# KiCad board control.kicad_pcb (continued)
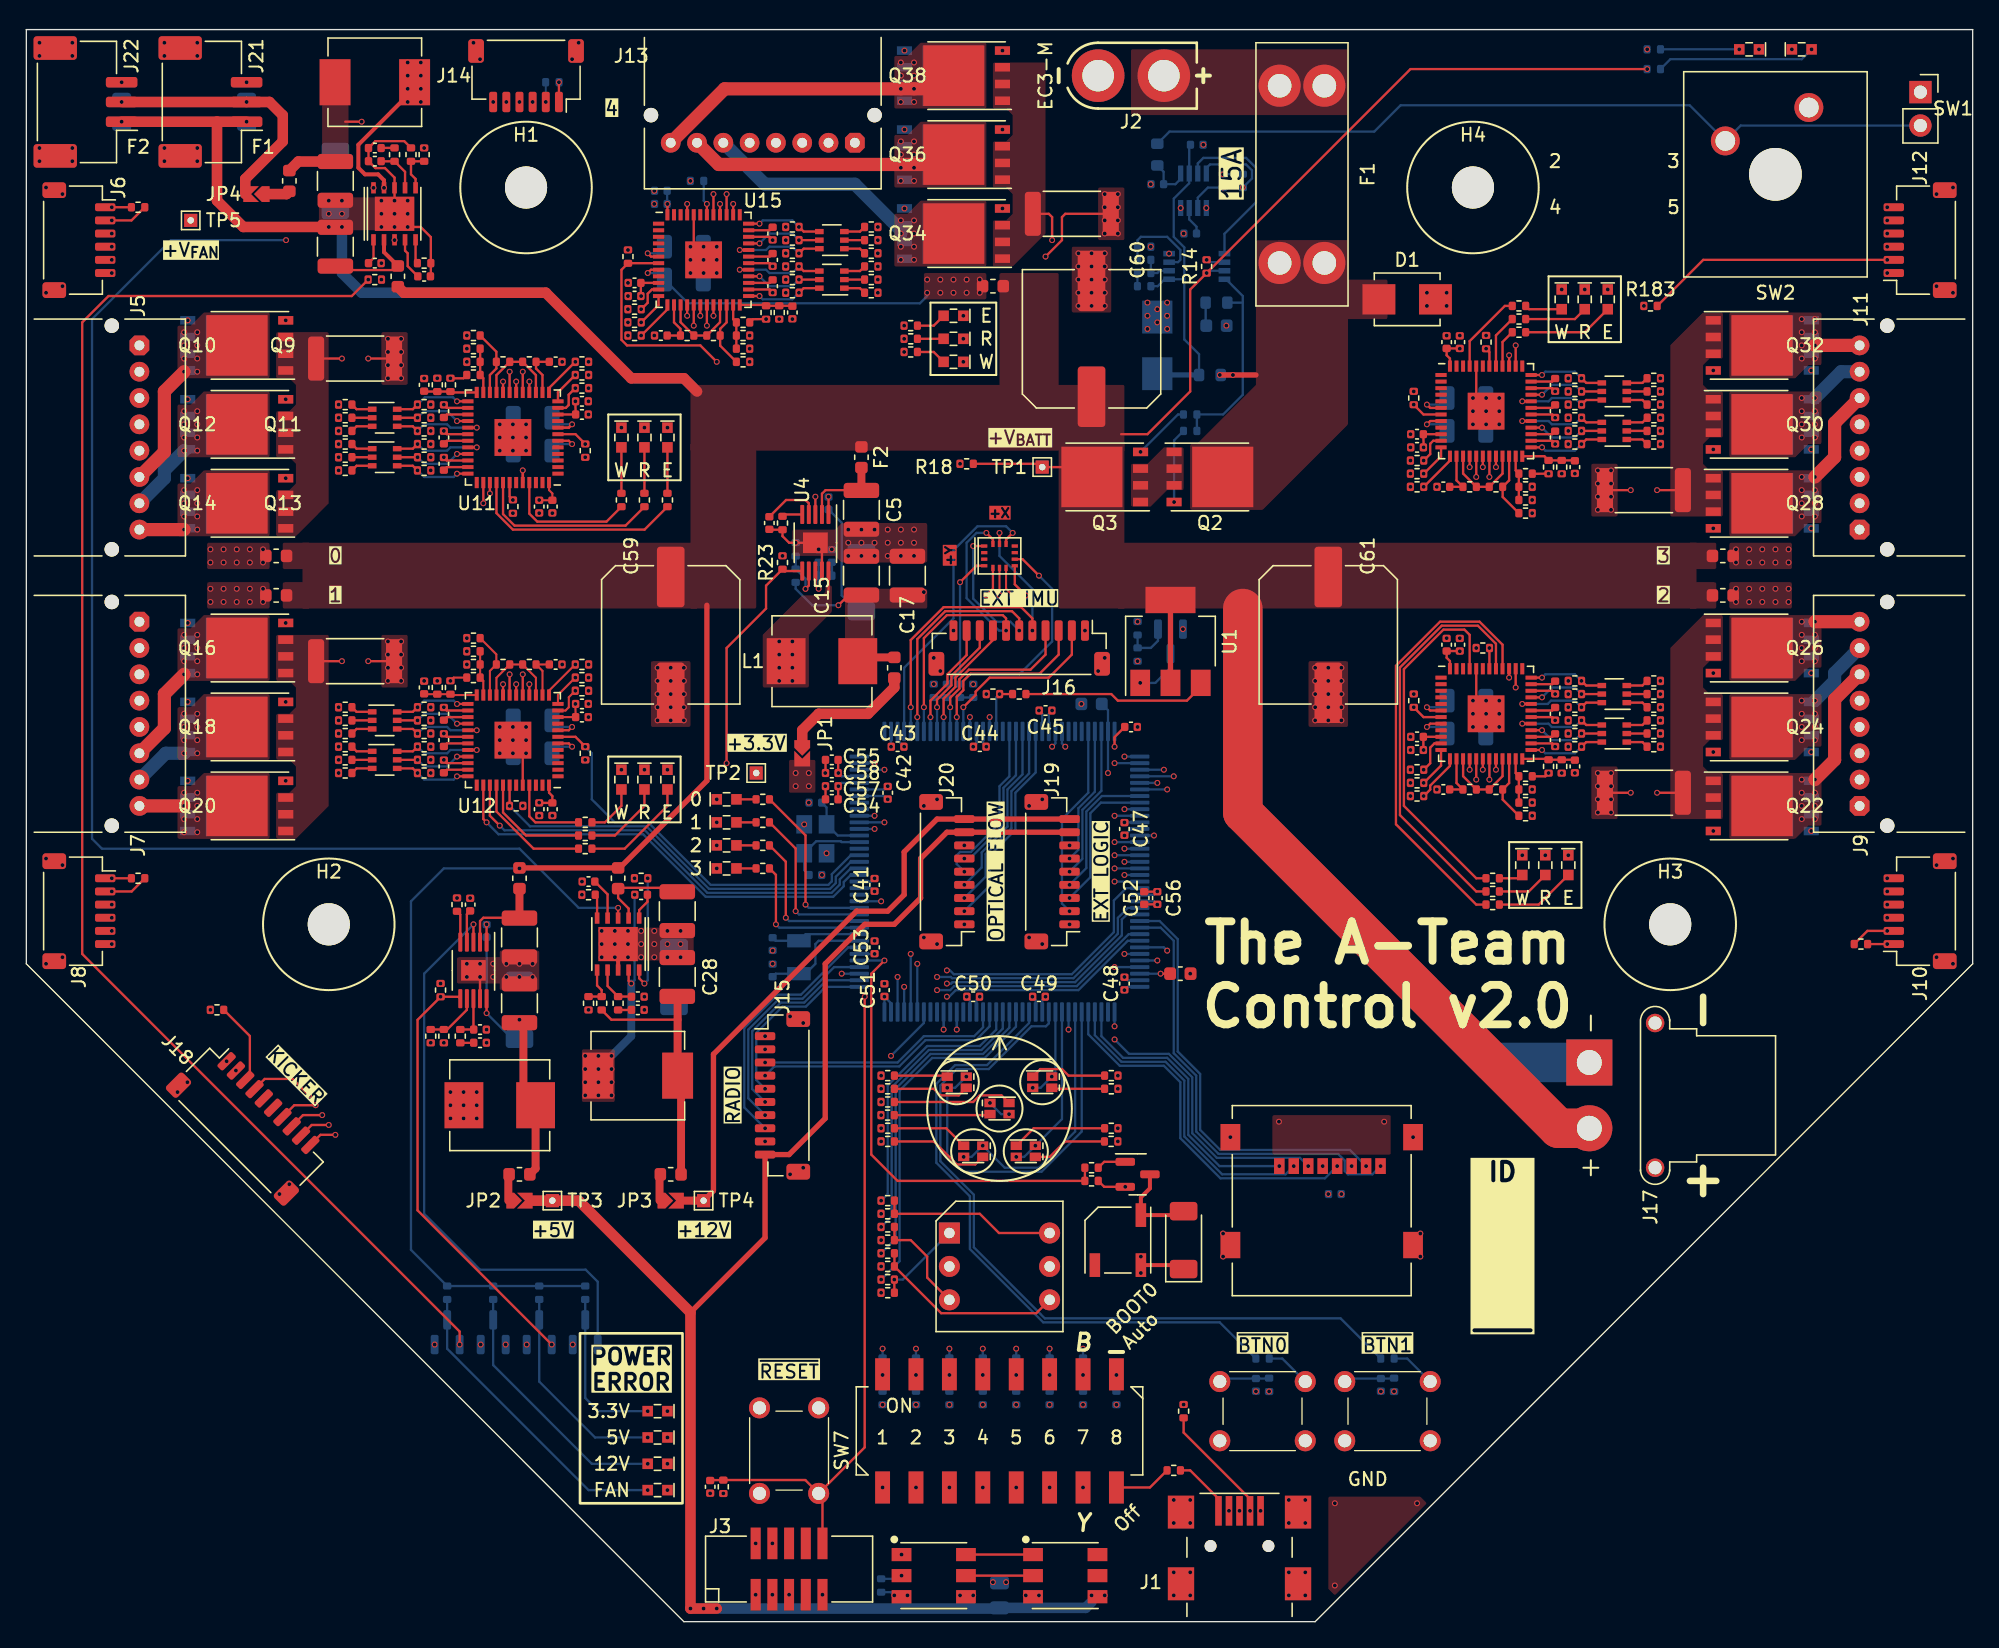
[diagram p0: board, top side]
## Placement (name value [footprint] x y rotation side) (continued)
R90  4.7k  [R_0402_1005Metric]  53 10.25 90 top
R91  4.7k  [R_0402_1005Metric]  42.5 89 90 top
R92  4.7k  [R_0402_1005Metric]  37 84.75 270 top
R93  4.7k  [R_0402_1005Metric]  8.5 107.5 180 top
R94  4.7k  [R_0402_1005Metric]  42.25 93.75 180 top
R95  10k  [R_0402_1005Metric]  45.25 85.25 90 top
R96  4.7k  [R_0402_1005Metric]  42.25 94.75 180 top
R97  10k  [R_0402_1005Metric]  47 85.25 90 top
R98  4.7k  [R_0402_1005Metric]  42.25 95.75 180 top
R99  10k  [R_0402_1005Metric]  48.75 85.25 90 top
R100  2.37k  [R_0402_1005Metric]  34 94.75 0 top
R101  649k  [R_0402_1005Metric]  34 95.75 0 top
R102  53.6k  [R_0402_1005Metric]  34 96.75 180 top
R103  10k  [R_0402_1005Metric]  34 97.75 0 top
R104  26.7k  [R_0402_1005Metric]  36.25 95.75 0 top
R105  22  [R_0402_1005Metric]  38.25 95.75 0 top
R106  10  [R_0402_1005Metric]  24.25 88.5 180 top
R107  62  [R_0402_1005Metric]  30.25 88.5 0 top
R108  62  [R_0402_1005Metric]  30.25 87.5 0 top
R109  10  [R_0402_1005Metric]  24.25 87.5 180 top
R110  10  [R_0402_1005Metric]  24.25 90.5 180 top
R111  62  [R_0402_1005Metric]  30.25 90.5 0 top
R112  62  [R_0402_1005Metric]  30.25 89.5 0 top
R113  10  [R_0402_1005Metric]  24.25 89.5 180 top
R114  10  [R_0402_1005Metric]  24.25 92.5 180 top
R115  62  [R_0402_1005Metric]  30.25 92.5 0 top
R116  62  [R_0402_1005Metric]  30.25 91.5 0 top
R117  10  [R_0402_1005Metric]  24.25 91.5 180 top
R118  HoLLR2512-3W-62mR-1%  [R_2512_6332Metric]  25 96 0 top
R119  2.37k  [R_0402_1005Metric]  32.25 94 270 top
R120  143k  [R_0402_1005Metric]  31.25 94 270 top
R121  4.7k  [R_0402_1005Metric]  42.5 66 90 top
R122  4.7k  [R_0402_1005Metric]  37.25 62 0 top
R123  4.7k  [R_0402_1005Metric]  8.5 56.5 180 top
R124  4.7k  [R_0402_1005Metric]  42.25 70.75 180 top
R125  10k  [R_0402_1005Metric]  42.5 60.75 0 top
R126  4.7k  [R_0402_1005Metric]  42.25 71.75 180 top
R127  10k  [R_0402_1005Metric]  42.5 59.75 0 top
R128  4.7k  [R_0402_1005Metric]  42.25 72.75 180 top
R129  10k  [R_0402_1005Metric]  42.5 58.75 0 top
R130  2.37k  [R_0402_1005Metric]  34 71.75 0 top
R131  649k  [R_0402_1005Metric]  34 72.75 0 top
R132  53.6k  [R_0402_1005Metric]  34 73.75 180 top
R133  10k  [R_0402_1005Metric]  34 74.75 0 top
R134  26.7k  [R_0402_1005Metric]  36.25 72.75 0 top
R135  22  [R_0402_1005Metric]  38.25 72.75 0 top
R136  10  [R_0402_1005Metric]  24.25 65.5 180 top
R137  62  [R_0402_1005Metric]  30.25 65.5 0 top
R138  62  [R_0402_1005Metric]  30.25 64.5 0 top
R139  10  [R_0402_1005Metric]  24.25 64.5 180 top
R140  10  [R_0402_1005Metric]  24.25 67.5 180 top
R141  62  [R_0402_1005Metric]  30.25 67.5 0 top
R142  62  [R_0402_1005Metric]  30.25 66.5 0 top
R143  10  [R_0402_1005Metric]  24.25 66.5 180 top
R144  10  [R_0402_1005Metric]  24.25 69.5 180 top
R145  62  [R_0402_1005Metric]  30.25 69.5 0 top
R146  62  [R_0402_1005Metric]  30.25 68.5 0 top
R147  10  [R_0402_1005Metric]  24.25 68.5 180 top
R148  HoLLR2512-3W-62mR-1%  [R_2512_6332Metric]  25 73 0 top
R149  2.37k  [R_0402_1005Metric]  32.25 71 270 top
R150  143k  [R_0402_1005Metric]  31.25 71 270 top
R151  4.7k  [R_0402_1005Metric]  105.5 70 270 top
R152  4.7k  [R_0402_1005Metric]  110.75 74 180 top
R153  4.7k  [R_0402_1005Metric]  139.5 51.5 0 top
R154  4.7k  [R_0402_1005Metric]  105.75 64.75 0 top
R155  10k  [R_0402_1005Metric]  111.5 56.5 0 top
R156  4.7k  [R_0402_1005Metric]  105.75 63.75 0 top
R157  10k  [R_0402_1005Metric]  111.5 55.5 0 top
R158  4.7k  [R_0402_1005Metric]  105.75 62.75 0 top
R159  10k  [R_0402_1005Metric]  111.5 54.5 0 top
R160  2.37k  [R_0402_1005Metric]  114 64.25 180 top
R161  649k  [R_0402_1005Metric]  114 63.25 180 top
R162  53.6k  [R_0402_1005Metric]  114 62.25 0 top
R163  10k  [R_0402_1005Metric]  114 61.25 180 top
R164  26.7k  [R_0402_1005Metric]  111.75 63.25 180 top
R165  22  [R_0402_1005Metric]  109.75 63.25 180 top
R166  10  [R_0402_1005Metric]  123.75 70.5 0 top
R167  62  [R_0402_1005Metric]  117.75 70.5 180 top
R168  62  [R_0402_1005Metric]  117.75 71.5 180 top
R169  10  [R_0402_1005Metric]  123.75 71.5 0 top
R170  10  [R_0402_1005Metric]  123.75 68.5 0 top
R171  62  [R_0402_1005Metric]  117.75 68.5 180 top
R172  62  [R_0402_1005Metric]  117.75 69.5 180 top
R173  10  [R_0402_1005Metric]  123.75 69.5 0 top
R174  10  [R_0402_1005Metric]  123.75 66.5 0 top
R175  62  [R_0402_1005Metric]  117.75 66.5 180 top
R176  62  [R_0402_1005Metric]  117.75 67.5 180 top
R177  10  [R_0402_1005Metric]  123.75 67.5 0 top
R178  HoLLR2512-3W-62mR-1%  [R_2512_6332Metric]  123 63 180 top
R179  2.37k  [R_0402_1005Metric]  115.75 65 90 top
R180  143k  [R_0402_1005Metric]  116.75 65 90 top
R181  4.7k  [R_0402_1005Metric]  105.5 93 270 top
R182  4.7k  [R_0402_1005Metric]  111 97.25 90 top
R183  4.7k  [R_0402_1005Metric]  123.5 100 180 top
R184  4.7k  [R_0402_1005Metric]  105.75 88.25 0 top
R185  10k  [R_0402_1005Metric]  113.5 100 0 top
R186  4.7k  [R_0402_1005Metric]  105.75 87.25 0 top
R187  10k  [R_0402_1005Metric]  113.5 99 0 top
R188  4.7k  [R_0402_1005Metric]  105.75 86.25 0 top
R189  10k  [R_0402_1005Metric]  113.5 98 0 top
R190  2.37k  [R_0402_1005Metric]  114 87.25 180 top
R191  649k  [R_0402_1005Metric]  114 86.25 180 top
R192  53.6k  [R_0402_1005Metric]  114 85.25 0 top
R193  10k  [R_0402_1005Metric]  114 84.25 180 top
R194  26.7k  [R_0402_1005Metric]  111.75 86.25 180 top
R195  22  [R_0402_1005Metric]  109.75 86.25 180 top
R196  10  [R_0402_1005Metric]  123.75 93.5 0 top
R197  62  [R_0402_1005Metric]  117.75 93.5 180 top
R198  62  [R_0402_1005Metric]  117.75 94.5 180 top
R199  10  [R_0402_1005Metric]  123.75 94.5 0 top
R200  10  [R_0402_1005Metric]  123.76 91.5 0 top
R201  62  [R_0402_1005Metric]  117.75 91.5 180 top
R202  62  [R_0402_1005Metric]  117.75 92.5 180 top
R203  10  [R_0402_1005Metric]  123.75 92.5 0 top
R204  10  [R_0402_1005Metric]  123.75 89.5 0 top
R205  62  [R_0402_1005Metric]  117.75 89.5 180 top
R206  62  [R_0402_1005Metric]  117.75 90.5 180 top
R207  10  [R_0402_1005Metric]  123.75 90.5 0 top
R208  HoLLR2512-3W-62mR-1%  [R_2512_6332Metric]  123 86 180 top
R209  2.37k  [R_0402_1005Metric]  115.75 87.75 90 top
R210  143k  [R_0402_1005Metric]  116.75 87.75 90 top
R211  4.7k  [R_0402_1005Metric]  45.75 103.75 270 top
R212  4.7k  [R_0402_1005Metric]  51 109.5 180 bottom
R213  4.7k  [R_0402_1005Metric]  40 117 0 bottom
R214  4.7k  [R_0402_1005Metric]  46.25 99.75 0 top
R215  10k  [R_0402_1005Metric]  67.25 96.5 0 top
R216  4.7k  [R_0402_1005Metric]  46.25 98.75 0 top
R217  10k  [R_0402_1005Metric]  67.25 97.5 0 top
R218  4.7k  [R_0402_1005Metric]  46.25 97.75 0 top
R219  10k  [R_0402_1005Metric]  67.25 98.5 0 top
R220  2.37k  [R_0402_1005Metric]  54.5 98.75 180 top
R221  649k  [R_0402_1005Metric]  54.5 97.75 180 top
R222  53.6k  [R_0402_1005Metric]  54.5 96.75 0 top
R223  10k  [R_0402_1005Metric]  54.5 95.75 180 top
R224  26.7k  [R_0402_1005Metric]  52.25 97.75 180 top
R225  22  [R_0402_1005Metric]  50.25 97.75 180 top
R226  10  [R_0402_1005Metric]  64.25 105 0 top
R227  62  [R_0402_1005Metric]  58.25 105 180 top
R228  62  [R_0402_1005Metric]  58.25 106 180 top
R229  10  [R_0402_1005Metric]  64.25 106 0 top
R230  10  [R_0402_1005Metric]  64.25 103 0 top
R231  62  [R_0402_1005Metric]  58.25 103 180 top
R232  62  [R_0402_1005Metric]  58.25 104 180 top
R233  10  [R_0402_1005Metric]  64.25 104 0 top
R234  10  [R_0402_1005Metric]  64.25 101 0 top
R235  62  [R_0402_1005Metric]  58.25 101 180 top
R236  62  [R_0402_1005Metric]  58.25 102 180 top
R237  10  [R_0402_1005Metric]  64.25 102 0 top
R238  HoLLR2512-3W-62mR-1%  [R_2512_6332Metric]  79.5 107 0 top
R239  2.37k  [R_0402_1005Metric]  56.25 99.5 90 top
R240  143k  [R_0402_1005Metric]  57.25 99.5 90 top
R241  4.7k  [R_0402_1005Metric]  69 70.75 270 bottom
R242  4.7k  [R_0402_1005Metric]  72 70.75 270 bottom
R243  100  [R_0402_1005Metric]  70 70.75 270 bottom
R244  100  [R_0402_1005Metric]  71 70.75 270 bottom
R245  4.7k  [R_0402_1005Metric]  14.5 46.5 0 top
SW1  HDR_2P  [PinSocket_1x02_P2.54mm_Vertical]  144.03 116.25 0 top
SW2  CPG151101D91  [SW_Kailh_PG1511]  133 110 180 top
SW3  -  [221ADC16]  74 27 0 top
SW4  -  [B3F-1000]  94 16 0 top
SW5  -  [B3F-1000]  103.5 16 0 top
SW6  -  [219-8MST]  74 14.5 90 top
SW7  -  [B3F-1000]  58 13 270 top
TP1  Main  [TestPoint_THTPad_1.0x1.0mm_Drill0.5mm]  77.25 87.75 0 top
TP2  +3.3V  [TestPoint_THTPad_1.0x1.0mm_Drill0.5mm]  55.5 64.5 0 top
TP3  +5V  [TestPoint_THTPad_1.0x1.0mm_Drill0.5mm]  40 32 0 top
TP4  +12V  [TestPoint_THTPad_1.0x1.0mm_Drill0.5mm]  51.5 32 0 top
TP5  +V_{FAN}  [TestPoint_THTPad_1.0x1.0mm_Drill0.5mm]  12.5 106.5 0 top
U1  ITS4140N  [SOT-223]  87 74.5 90 top
U2  LTC4367  [MS8]  89 103 90 bottom
U3  LTC2955-1  [LTC2955-TS8]  88.75 108.75 180 bottom
U4  TPS54260DGQ  [HVSSOP-10-1EP_3x3mm_P0.5mm_EP1.57x1.88mm]  60 82 270 top
U5  TPS54260DGQ  [HVSSOP-10-1EP_3x3mm_P0.5mm_EP1.57x1.88mm]  34 49.5 270 top
U6  TPS54561DPR  [DPR]  45 51.5 0 top
U7  TPS54561DPR  [DPR]  28 107 180 top
U8  -  [SK9822]  69 3.5 180 top
U9  -  [SK9822]  79 3.5 180 top
U10  STM32H723ZGT6  [LQFP-144_20x20mm_P0.5mm]  74 57 0 bottom
U11  STSPIN32F0B  [QFN-48-1EP_7x7mm_P0.5mm_EP2.8x2.8mm]  37 90 180 top
U12  STSPIN32F0B  [QFN-48-1EP_7x7mm_P0.5mm_EP2.8x2.8mm]  37 67 180 top
U13  STSPIN32F0B  [QFN-48-1EP_7x7mm_P0.5mm_EP2.8x2.8mm]  111 69 0 top
U14  STSPIN32F0B  [QFN-48-1EP_7x7mm_P0.5mm_EP2.8x2.8mm]  111 92 0 top
U15  STSPIN32F0B  [QFN-48-1EP_7x7mm_P0.5mm_EP2.8x2.8mm]  51.5 103.5 0 top
U16  -  [BMI323]  74 81 0 top
Y1  TAXM8M4RDBCCT2T  [Crystal_SMD_3225-4Pin_3.2x2.5mm]  60 59.5 270 bottom
Y2  Q13FC13500005  [Crystal_SMD_3215-2Pin_3.2x1.5mm]  58.75 50.5 270 bottom

## Library data of the parts
BZ1 = -: Description: Buzzer, polarized; Value2: 4kHz
C1-C58 C62-C120 = -: Description: Unpolarized capacitor, small symbol
C59-C61 = -: Description: Polarized capacitor, small US symbol; Value2: 100uF 63V
D1 D2 = -: Description: Bidirectional transient-voltage-suppression diode; V_{BR}: V_{BR}=30.4V
D3-D6 D8 = -: Description: Schottky diode, small symbol, filled shape
D7 = -: Description: Light emitting diode; Value2: White
D9 D12-D14 D24 D29 D34 D39 D44 = -: Description: Light emitting diode; Value2: Green
D10 D11 D15 D16 D25 D30 D35 D40 D45 = -: Description: Light emitting diode; Value2: Red
D17 D23 D28 D33 D38 D43 = -: Description: Light emitting diode; Value2: Orange
D18 D19 D21 D22 = -: Description: Dual LED, cathodes on pins 3 and 4; Value13: Green; Value24: Red
D20 = -: Description: Dual LED, cathodes on pins 3 and 4; Value13: Yellow; Value24: Blue
D26 D27 D31 D32 D36 D37 D41 D42 D46 D47 = -: Description: Fast switching diode array 3 independent
F1 = -: Description: Fuse
F2-F7 = -: Description: Fuse, small symbol; Value2: 2.0A
F8 F9 = -: Description: Fuse, small symbol; Value2: 4.0A
F10-F14 = -: Description: Fuse, small symbol; Value2: 3.0A
H1-H4 = -: Description: Mounting Hole without connection
J1 = -: Description: USB mini/micro connector
J2 = -: Description: Generic connector, single row, 01x02, script generated (kicad-library-utils/schlib/autogen/connector/)
J3 = -: Description: Cortex Debug Connector, standard ARM Cortex-M SWD and JTAG interface; Value2: ARM_SWD
J5 J7 J9 J11 J13 = -: Description: Generic connector, single row, 01x08, script generated (kicad-library-utils/schlib/autogen/connector/)
J6 J8 J10 J12 J14 = -: Description: Generic connectable mounting pin connector, single row, 01x06, script generated (kicad-library-utils/schlib/autogen/connector/)
J15 J18 = -: Description: Generic connectable mounting pin connector, single row, 01x10, script generated (kicad-library-utils/schlib/autogen/connector/)
J16 = -: Description: Generic connectable mounting pin connector, single row, 01x11, script generated (kicad-library-utils/schlib/autogen/connector/)
J17 = -: Description: Generic connector, single row, 01x02, script generated (kicad-library-utils/schlib/autogen/connector/); LCSC: C2913282
J19 J20 = -: Description: Generic connectable mounting pin connector, single row, 01x09, script generated (kicad-library-utils/schlib/autogen/connector/)
J21 J22 = -: Description: Generic connectable mounting pin connector, single row, 01x03, script generated (kicad-library-utils/schlib/autogen/connector/)
JP1-JP4 = -: Description: Solder Jumper, 2-pole, closed/bridged
L1 L2 = -: Description: Inductor; Value2: 10uH
L3 L4 = -: Description: Inductor; Value2: 4.7uH
Q1 Q4-Q8 = -: Description: N-MOSFET transistor, gate/source/drain
Q2 Q3 Q9-Q38 = -: Description: N-MOSFET transistor, source/gate/drain
R1-R74 R76-R117 R119-R147 R149-R177 R179-R207 R209-R237 R239-R245 = -: Description: Resistor, small US symbol
R75 = -: Description: Resistor, US symbol
R118 R148 R178 R208 R238 = -: Description: Resistor, small US symbol; Value2: 62m 1% 3W 50ppm
SW1 = -: Description: Push button switch, generic, two pins; Value2: PWRON_{EXT}
SW2 = -: Description: Push button switch, generic, two pins; Value2: PWRON_{ONBOARD}
SW6 = -: Description: 8x DIP Switch, Single Pole Single Throw (SPST) switch, small symbol
TP1-TP5 = -: Description: test point
U3 = -: Description: micropower , pushbutton on/off controller, 40V
Y1 = -: Description: Four pin crystal, GND on pins 2 and 4, small symbol; Value2: 8MHz
Y2 = -: Description: Two pin crystal; Value2: 32.768kHz

## Footprints (pads in the part's own frame, mm; a bottom-side part is the same pattern mirrored in y, then rotated)
219-8MST
  rect 2.44x1.13 smd: 1(-4.3,8.89) 2(-4.3,6.35) 3(-4.3,3.81) 4(-4.3,1.27) 5(-4.3,-1.27) 6(-4.3,-3.81) 7(-4.3,-6.35) 8(-4.3,-8.89) 9(4.3,-8.89) 10(4.3,-6.35) 11(4.3,-3.81) 12(4.3,-1.27) 13(4.3,1.27) 14(4.3,3.81) 15(4.3,6.35) 16(4.3,8.89)
221ADC16
  rect 1.6x1.6 hole 0.8: 1(-3.81,2.54)
  round 1.6 hole 0.8: 3(-3.81,-2.54) 4(3.81,-2.54) 6(3.81,2.54) C(-3.81,0) C(3.81,0)
0630CDMCCDS
  rect 2.35x3.5 smd: 1(-3.025,0) 2(3.025,0)
3557-2
  round 3.2 hole 1.8: 1(-6.735,1.7) 1(-6.735,-1.7) 2(6.735,1.7) 2(6.735,-1.7)
10033526-N3212LF
  round 0.9 hole 0.9 unplated: (-2.2,0) (2.2,0)
  rect 0.5x2.25 smd: 1(-1.6,2.675) 2(-0.8,2.675) 3(0,2.675) 4(0.8,2.675) 5(1.6,2.675)
  rect 2x2.5 smd: 6(-4.45,2.58) 6(-4.45,-2.87) 6(4.45,2.58) 6(4.45,-2.87)
20021521-00010C1LF
  rect 0.76x2.4 smd: 1(-2.54,-1.95) 2(-2.54,1.95) 3(-1.27,-1.95) 4(-1.27,1.95) 5(0,-1.95) 6(0,1.95) 7(1.27,-1.95) 8(1.27,1.95) 9(2.54,-1.95) 10(2.54,1.95)
AMASS_XT30PW-F_1x02_P2.50mm_Horizontal
  round 1.4 hole 1: (-3,5) (8,5)
  rect 3.5x3.5 hole 1.9: 1(0,0)
  round 3.5 hole 1.9: 2(5,0)
B3F-1000
  round 1.6 hole 1: 1(-3.25,2.25) 2(3.25,2.25) 3(-3.25,-2.25) 4(3.25,-2.25)
BMI323
  rect 0.475x0.25 smd: 1(-1.163,0.75) 2(-1.163,0.25) 3(-1.163,-0.25) 4(-1.163,-0.75) 8(1.163,-0.75) 9(1.163,-0.25) 10(1.163,0.25) 11(1.163,0.75)
  rect 0.25x0.475 smd: 5(-0.5,-0.912) 6(0,-0.912) 7(0.5,-0.912) 12(0.5,0.912) 13(0,0.912) 14(-0.5,0.912)
C_0402_1005Metric
  rrect 0.56x0.62 smd: 1(-0.48,0) 2(0.48,0)
C_0603_1608Metric
  rrect 0.9x0.95 smd: 1(-0.775,0) 2(0.775,0)
C_0805_2012Metric
  rrect 1x1.45 smd: 1(-0.95,0) 2(0.95,0)
C_1206_3216Metric
  rrect 1.15x1.8 smd: 1(-1.475,0) 2(1.475,0)
C_1210_3225Metric
  rrect 1.15x2.7 smd: 1(-1.475,0) 2(1.475,0)
C_Elec_10x10.2
  rrect 4.6x2.1 smd: 1(-4.4,0) 2(4.4,0)
Crystal_SMD_3215-2Pin_3.2x1.5mm
  rect 1x1.8 smd: 1(1.25,0) 2(-1.25,0)
Crystal_SMD_3225-4Pin_3.2x2.5mm
  rect 1.4x1.2 smd: 1(-1.1,-0.85) 2(1.1,-0.85) 3(1.1,0.85) 4(-1.1,0.85)
D_SMB_Non-Polar
  rect 2.5x2.3 smd: 1(-2.15,0) 2(2.15,0)
D_SOD-128
  rrect 1.4x2.1 smd: 1(-2.2,0) 2(2.2,0)
DPR
  rect 0.35x0.85 smd: 1(1.6,1.975) 2(0.8,1.975) 3(0,1.975) 4(-0.8,1.975) 5(-1.6,1.975) 6(-1.6,-1.975) 7(-0.8,-1.975) 8(0,-1.975) 9(0.8,-1.975) 10(1.6,-1.975)
  rect 3x2.6 smd: TP(0,0)
EC3-M_TH_WireMount
  round 4 hole 2.4: 1(-2.5,0) 2(2.5,0)
Fuse_0603_1608Metric
  rrect 0.875x0.95 smd: 1(-0.787,0) 2(0.787,0)
HVSSOP-10-1EP_3x3mm_P0.5mm_EP1.57x1.88mm
  rrect 0.63x0.76 smd: (-0.39,0.47) (-0.39,-0.47) (0.39,0.47) (0.39,-0.47)
  rrect 1.45x0.3 smd: 1(-2.15,1) 2(-2.15,0.5) 3(-2.15,0) 4(-2.15,-0.5) 5(-2.15,-1) 6(2.15,-1) 7(2.15,-0.5) 8(2.15,0) 9(2.15,0.5) 10(2.15,1)
  rect 1.57x1.88 smd: 11(0,0)
JST_PA_S08B-PASK-2_1x08_P2.00mm_Horizontal
  round 1.1 hole 1.1 unplated: (-8.5,0) (8.5,0)
  rrect 1.5x1.5 hole 0.75: 1(7,-2.1)
  oval 1.5x1.5 hole 0.75: 2(5,-2.1) 3(3,-2.1) 4(1,-2.1) 5(-1,-2.1) 6(-3,-2.1) 7(-5,-2.1) 8(-7,-2.1)
JST_SH_BM09B-SRSS-TB_1x09-1MP_P1.00mm_Vertical
  rrect 0.6x1.55 smd: 1(-4,-1.325) 2(-3,-1.325) 3(-2,-1.325) 4(-1,-1.325) 5(0,-1.325) 6(1,-1.325) 7(2,-1.325) 8(3,-1.325) 9(4,-1.325)
  rrect 1.2x1.8 smd: MP(-5.3,1.2) MP(5.3,1.2)
JST_SH_BM10B-SRSS-TB_1x10-1MP_P1.00mm_Vertical
  rrect 0.6x1.55 smd: 1(-4.5,-1.325) 2(-3.5,-1.325) 3(-2.5,-1.325) 4(-1.5,-1.325) 5(-0.5,-1.325) 6(0.5,-1.325) 7(1.5,-1.325) 8(2.5,-1.325) 9(3.5,-1.325) 10(4.5,-1.325)
  rrect 1.2x1.8 smd: MP(-5.8,1.2) MP(5.8,1.2)
JST_SH_BM11B-SRSS-TB_1x11-1MP_P1.00mm_Vertical
  rrect 0.6x1.55 smd: 1(-5,-1.325) 2(-4,-1.325) 3(-3,-1.325) 4(-2,-1.325) 5(-1,-1.325) 6(0,-1.325) 7(1,-1.325) 8(2,-1.325) 9(3,-1.325) 10(4,-1.325) 11(5,-1.325)
  rrect 1.2x1.8 smd: MP(-6.3,1.2) MP(6.3,1.2)
JST_SH_SM06B-SRSS-TB_1x06-1MP_P1.00mm_Horizontal
  rrect 0.6x1.55 smd: 1(-2.5,2) 2(-1.5,2) 3(-0.5,2) 4(0.5,2) 5(1.5,2) 6(2.5,2)
  rrect 1.2x1.8 smd: MP(-3.8,-1.875) MP(3.8,-1.875)
JST_SH_SM10B-SRSS-TB_1x10-1MP_P1.00mm_Horizontal
  rrect 0.6x1.55 smd: 1(-4.5,2) 2(-3.5,2) 3(-2.5,2) 4(-1.5,2) 5(-0.5,2) 6(0.5,2) 7(1.5,2) 8(2.5,2) 9(3.5,2) 10(4.5,2)
  rrect 1.2x1.8 smd: MP(-5.8,-1.875) MP(5.8,-1.875)
JST_ZE_BM03B-ZESS-TBT_1x03-1MP_P1.50mm_Vertical
  rrect 0.8x2.4 smd: 1(-1.5,-2.75) 2(0,-2.75) 3(1.5,-2.75)
  rrect 1.8x3.3 smd: MP(-4.1,2.3) MP(4.1,2.3)
LED0603
  rect 0.8x0.8 smd: 1(-0.75,0) 2(0.75,0)
LED0606_S_1324
  rect 0.65x0.85 smd: 1(0.425,0.725) 2(-0.425,0.725) 3(0.425,-0.725) 4(-0.425,-0.725)
LED0606_Z_1324
  rect 0.65x0.85 smd: 1(-0.425,0.725) 2(0.425,0.725) 3(-0.425,-0.725) 4(0.425,-0.725)
LQFP-144_20x20mm_P0.5mm
  rrect 1.475x0.3 smd: 1(-10.662,8.75) 2(-10.662,8.25) 3(-10.662,7.75) 4(-10.662,7.25) 5(-10.662,6.75) 6(-10.662,6.25) 7(-10.662,5.75) 8(-10.662,5.25) 9(-10.662,4.75) 10(-10.662,4.25) 11(-10.662,3.75) 12(-10.662,3.25) 13(-10.662,2.75) 14(-10.662,2.25) 15(-10.662,1.75) 16(-10.662,1.25) 17(-10.662,0.75) 18(-10.662,0.25) 19(-10.662,-0.25) 20(-10.662,-0.75) 21(-10.662,-1.25) 22(-10.662,-1.75) 23(-10.662,-2.25) 24(-10.662,-2.75) 25(-10.662,-3.25) 26(-10.662,-3.75) 27(-10.662,-4.25) 28(-10.662,-4.75) 29(-10.662,-5.25) 30(-10.662,-5.75) 31(-10.662,-6.25) 32(-10.662,-6.75) 33(-10.662,-7.25) 34(-10.662,-7.75) 35(-10.662,-8.25) 36(-10.662,-8.75) 73(10.662,-8.75) 74(10.662,-8.25) 75(10.662,-7.75) 76(10.662,-7.25) 77(10.662,-6.75) 78(10.662,-6.25) 79(10.662,-5.75) 80(10.662,-5.25) 81(10.662,-4.75) 82(10.662,-4.25) 83(10.662,-3.75) 84(10.662,-3.25) 85(10.662,-2.75) 86(10.662,-2.25) 87(10.662,-1.75) 88(10.662,-1.25) 89(10.662,-0.75) 90(10.662,-0.25) 91(10.662,0.25) 92(10.662,0.75) 93(10.662,1.25) 94(10.662,1.75) 95(10.662,2.25) 96(10.662,2.75) 97(10.662,3.25) 98(10.662,3.75) 99(10.662,4.25) 100(10.662,4.75) 101(10.662,5.25) 102(10.662,5.75) 103(10.662,6.25) 104(10.662,6.75) 105(10.662,7.25) 106(10.662,7.75) 107(10.662,8.25) 108(10.662,8.75)
  rrect 0.3x1.475 smd: 37(-8.75,-10.662) 38(-8.25,-10.662) 39(-7.75,-10.662) 40(-7.25,-10.662) 41(-6.75,-10.662) 42(-6.25,-10.662) 43(-5.75,-10.662) 44(-5.25,-10.662) 45(-4.75,-10.662) 46(-4.25,-10.662) 47(-3.75,-10.662) 48(-3.25,-10.662) 49(-2.75,-10.662) 50(-2.25,-10.662) 51(-1.75,-10.662) 52(-1.25,-10.662) 53(-0.75,-10.662) 54(-0.25,-10.662) 55(0.25,-10.662) 56(0.75,-10.662) 57(1.25,-10.662) 58(1.75,-10.662) 59(2.25,-10.662) 60(2.75,-10.662) 61(3.25,-10.662) 62(3.75,-10.662) 63(4.25,-10.662) 64(4.75,-10.662) 65(5.25,-10.662) 66(5.75,-10.662) 67(6.25,-10.662) 68(6.75,-10.662) 69(7.25,-10.662) 70(7.75,-10.662) 71(8.25,-10.662) 72(8.75,-10.662) 109(8.75,10.662) 110(8.25,10.662) 111(7.75,10.662) 112(7.25,10.662) 113(6.75,10.662) 114(6.25,10.662) 115(5.75,10.662) 116(5.25,10.662) 117(4.75,10.662) 118(4.25,10.662) 119(3.75,10.662) 120(3.25,10.662) 121(2.75,10.662) 122(2.25,10.662) 123(1.75,10.662) 124(1.25,10.662) 125(0.75,10.662) 126(0.25,10.662) 127(-0.25,10.662) 128(-0.75,10.662) 129(-1.25,10.662) 130(-1.75,10.662) 131(-2.25,10.662) 132(-2.75,10.662) 133(-3.25,10.662) 134(-3.75,10.662) 135(-4.25,10.662) 136(-4.75,10.662) 137(-5.25,10.662) 138(-5.75,10.662) 139(-6.25,10.662) 140(-6.75,10.662) 141(-7.25,10.662) 142(-7.75,10.662) 143(-8.25,10.662) 144(-8.75,10.662)
LTC2955-TS8
  rect 0.4x1.22 smd: 1(-0.975,-1.31) 2(-0.325,-1.31) 3(0.325,-1.31) 4(0.975,-1.31) 5(0.975,1.31) 6(0.325,1.31) 7(-0.325,1.31) 8(-0.975,1.31)
MEM2067-02-180-00-A
  rect 0.8x1.2 smd: 1(3.225,-2.625) 2(2.125,-2.625) 3(1.025,-2.625) 4(-0.075,-2.625) 5(-1.175,-2.625) 6(-2.275,-2.625) 7(-3.375,-2.625) 8(-4.475,-2.625)
  rect 1.5x2 smd: 9(-6.945,3.375) 9(-6.945,-4.825) 9(6.945,3.375) 9(6.945,-4.825)
MLT-5020
  rect 1.8x0.8 smd: (-1.9,1.75) 1(-1.9,-1.75) 2(1.9,-1.75)
MountingHole_3.2mm_M3
  round 3.2 hole 3.2 unplated: (0,0)
MS8
  rect 0.42x0.889 smd: 1(-0.975,-2.106) 2(-0.325,-2.106) 3(0.325,-2.106) 4(0.975,-2.106) 5(0.975,2.106) 6(0.325,2.106) 7(-0.325,2.106) 8(-0.975,2.106)
PA4341
  rect 2.95x3.5 smd: 1(-2.725,0) 2(2.725,0)
PinSocket_1x02_P2.54mm_Vertical
  rect 1.7x1.7 hole 1: 1(0,0)
  oval 1.7x1.7 hole 1: 2(0,-2.54)
PowerFLAT_5x6
  rect 1.15x0.65 smd: 1(-2.725,1.905) 2(-2.725,0.635) 3(-2.725,-0.635) 4(-2.725,-1.905)
  rect 4.65x4.6 smd: 5(0.975,0)
QFN-48-1EP_7x7mm_P0.5mm_EP2.8x2.8mm
  rect 0.85x0.3 smd: 1(-3.425,2.75) 2(-3.425,2.25) 3(-3.425,1.75) 4(-3.425,1.25) 5(-3.425,0.75) 6(-3.425,0.25) 7(-3.425,-0.25) 8(-3.425,-0.75) 9(-3.425,-1.25) 10(-3.425,-1.75) 11(-3.425,-2.25) 12(-3.425,-2.75) 25(3.425,-2.75) 26(3.425,-2.25) 27(3.425,-1.75) 28(3.425,-1.25) 29(3.425,-0.75) 30(3.425,-0.25) 31(3.425,0.25) 32(3.425,0.75) 33(3.425,1.25) 34(3.425,1.75) 35(3.425,2.25) 36(3.425,2.75)
  rect 0.3x0.85 smd: 13(-2.75,-3.425) 14(-2.25,-3.425) 15(-1.75,-3.425) 16(-1.25,-3.425) 17(-0.75,-3.425) 18(-0.25,-3.425) 19(0.25,-3.425) 20(0.75,-3.425) 21(1.25,-3.425) 22(1.75,-3.425) 23(2.25,-3.425) 24(2.75,-3.425) 37(2.75,3.425) 38(2.25,3.425) 39(1.75,3.425) 40(1.25,3.425) 41(0.75,3.425) 42(0.25,3.425) 43(-0.25,3.425) 44(-0.75,3.425) 45(-1.25,3.425) 46(-1.75,3.425) 47(-2.25,3.425) 48(-2.75,3.425)
  rect 2.8x2.8 smd: 49(0,0)
R_0402_1005Metric
  rrect 0.54x0.64 smd: 1(-0.51,0) 2(0.51,0)
R_0603_1608Metric
  rrect 0.8x0.95 smd: 1(-0.825,0) 2(0.825,0)
R_2512_6332Metric
  rrect 1.225x3.35 smd: 1(-2.962,0) 2(2.962,0)
SK9822
  rect 1.5x1 smd: 1(2.45,-1.6) 2(2.45,0) 3(2.45,1.6) 4(-2.45,1.6) 5(-2.45,0) 6(-2.45,-1.6)
SolderJumper-2_2.0x1.2mm_Closed
  custom 1.187x1.2 smd: 1(-0.85,0) 2(0.85,0)
SOT-23
  rrect 1.475x0.6 smd: 1(-0.938,0.95) 2(-0.938,-0.95) 3(0.938,0)
SOT-223
  rect 2x1.5 smd: 1(-3.15,2.3) 2(-3.15,0) 3(-3.15,-2.3)
  rect 2x3.8 smd: 4(3.15,0)
SOT-363_SC-70-6
  rect 0.65x0.4 smd: 1(-0.95,0.65) 2(-0.95,0) 3(-0.95,-0.65) 4(0.95,-0.65) 5(0.95,0) 6(0.95,0.65)
SW_Kailh_PG1511
  round 4 hole 4 unplated: (0,0)
  round 2.2 hole 1.5: 1(-2.54,-5.08) 2(3.81,-2.54)
TestPoint_THTPad_1.0x1.0mm_Drill0.5mm
  rect 1x1 hole 0.5: 1(0,0)

## Nets
+3.3V: BZ1.1 C40.1 C41.1 C42.1 C43.1 C44.1 C45.1 C46.1 C47.1 C48.1 C49.1 C50.1 C51.1 C52.1 C53.1 C54.1 C55.1 C56.1 C57.1 C58.1 C63.1 C64.1 C65.1 C66.1 C74.1 C75.1 C76.1 C77.1 C85.1 C86.1 C87.1 C88.1 C96.1 C97.1 C98.1 C99.1 C107.1 C108.1 C109.1 C110.1 C117.1 C118.1 D8.1 J3.1 J4.4 J5.1 J6.1 J7.1 J8.1 J9.1 J10.1 J11.1 J12.1 J13.1 J14.1 J15.9 J16.11 J18.2 J19.7 J20.7 JP1.2 R1.1 R2.2 R23.1 R24.1 R33.1 R34.1 R54.2 R55.2 R57.2 R60.2 R61.2 R62.2 R72.2 R90.1 R93.2 R94.1 R96.1 R98.1 R101.1 R120.1 R123.2 R124.1 R126.1 R128.1 R131.1 R150.1 R153.2 R154.1 R156.1 R158.1 R161.1 R180.1 R183.2 R184.1 R186.1 R188.1 R191.1 R210.1 R213.2 R214.1 R216.1 R218.1 R221.1 R240.1 R241.1 R242.1 R245.1 SW3.C SW6.1 SW6.2 SW6.3 SW6.4 SW6.5 SW6.6 SW6.7 TP2.1 U10.6 U10.17 U10.30 U10.32 U10.33 U10.39 U10.52 U10.62 U10.72 U10.84 U10.95 U10.108 U10.121 U10.131 U10.143 U10.144 U11.10 U11.48 U12.10 U12.48 U13.10 U13.48 U14.10 U14.48 U15.10 U15.48 U16.5 U16.8
+3.3V_{PREFUSE}: C15.1 C17.1 F4.1 L1.2 R16.1 R17.1 R25.1
+5V: C30.2 J15.10 J19.8 J20.8 JP2.2 TP3.1 U8.4 U9.4
+12V: J19.9 J20.9 JP3.2 TP4.1
GND: C1.2 C2.2 C3.2 C4.2 C5.2 C6.2 C7.2 C8.2 C9.2 C10.2 C11.2 C12.2 C15.2 C16.2 C17.2 C18.2 C19.2 C20.2 C21.2 C22.2 C23.2 C24.2 C25.2 C28.2 C29.2 C30.1 C31.2 C32.2 C33.2 C34.2 C35.2 C36.2 C37.2 C38.2 C39.2 C40.2 C41.2 C42.2 C43.2 C44.2 C45.2 C46.2 C47.2 C48.2 C49.2 C50.2 C51.2 C52.2 C53.2 C54.2 C55.2 C56.2 C57.2 C58.2 C59.2 C60.2 C61.2 C62.2 C63.2 C64.2 C65.2 C66.2 C67.2 C71.2 C72.2 C73.2 C74.2 C75.2 C76.2 C77.2 C78.2 C82.2 C83.2 C84.2 C85.2 C86.2 C87.2 C88.2 C89.2 C93.2 C94.2 C95.2 C96.2 C97.2 C98.2 C99.2 C100.2 C104.2 C105.2 C106.2 C107.2 C108.2 C109.2 C110.2 C111.2 C115.2 C116.2 C117.2 C118.2 C119.1 C120.1 D1.1 D2.1 D3.2 D4.2 D5.2 D6.2 D7.1 D9.1 D10.1 D11.1 D12.1 D13.1 D14.1 D15.1 D16.1 D17.1 D23.1 D24.1 D25.1 D28.1 D29.1 D30.1 D33.1 D34.1 D35.1 D38.1 D39.1 D40.1 D43.1 D44.1 D45.1 J1.5 J1.6 J2.1 J3.3 J3.5 J3.9 J4.6 J4.9 J5.5 J6.6 J6.MP J7.5 J8.6 J8.MP J9.5 J10.6 J10.MP J11.5 J12.6 J12.MP J13.5 J14.6 J14.MP J15.1 J15.MP J16.1 J16.MP J17.1 J18.1 J18.MP J19.1 J19.MP J20.1 J20.MP J21.1 J21.MP J22.1 J22.MP Q1.2 Q4.2 Q5.2 Q6.2 Q7.2 Q8.2 R3.2 R5.2 R10.2 R18.2 R21.2 R22.2 R26.2 R28.2 R31.2 R32.2 R36.2 R38.2 R39.2 R42.2 R52.1 R53.1 R56.1 R58.1 R59.1 R63.1 R64.1 R65.1 R66.1 R75.1 R76.1 R77.1 R78.1 R79.1 R80.1 R81.1 R82.1 R91.1 R92.2 R102.2 R103.1 R118.2 R121.1 R122.2 R132.2 R133.1 R148.2 R151.1 R152.2 R162.2 R163.1 R178.2 R181.1 R182.2 R192.2 R193.1 R208.2 R211.1 R212.2 R222.2 R223.1 R238.2 SW1.1 SW2.1 SW4.3 SW5.3 SW7.3 U2.4 U3.1 U3.4 U4.9 U4.11 U5.9 U5.11 U6.8 U6.TP U7.8 U7.TP U8.3 U9.3 U10.16 U10.31 U10.38 U10.51 U10.61 U10.83 U10.94 U10.107 U10.120 U10.130 U11.20 U11.44 U11.49 U12.20 U12.44 U12.49 U13.20 U13.44 U13.49 U14.20 U14.44 U14.49 U15.20 U15.44 U15.49 U16.6 U16.7 Y1.2 Y1.4
+V_{BATT(FUSED)}: D1.2 F1.2 Q2.5 R6.2
+V_{BATT(PROTECTED)}: C59.1 C60.1 C61.1 F2.2 F3.2 F6.2 F7.2 F10.1 F11.1 F12.1 F13.1 F14.1 J17.2 Q3.5 R14.1 R18.1 R41.1 R43.1 R44.1 R48.1 R49.1 TP1.1 U1.2 U1.4 U2.7
+V_{BATT(RAW)}: F1.1 J2.2
+V_{FAN}: C119.2 C120.2 J21.2 J22.2 JP4.2 TP5.1
/AIRDRIBBLER.PWM1: J21.3 U10.50
/AIRDRIBBLER.PWM2: J22.3 U10.53
/EXTLOGIC.CK: J19.4 U10.79
/EXTLOGIC.NSS: J19.3 U10.80
/EXTLOGIC.RX: J19.5 U10.70
/EXTLOGIC.TX: J19.6 U10.69
/EXTLOGIC.~{DET}: J19.2 U10.68
/FLOW.BOOT0: J20.4 U10.58
/FLOW.RX: J20.5 U10.56
/FLOW.TX: J20.6 U10.57
/FLOW.~{DET}: J20.2 U10.60
/FLOW.~{RST}: J20.3 U10.59
/IMU.INT1: J16.4 R241.2 R243.2 U10.47
/IMU.INT2: J16.3 R242.2 R244.2 U10.48
/IMU.MISO: J16.6 U10.42 U16.1
/IMU.MOSI: J16.7 U10.43 U16.14
/IMU.SCK: J16.5 U10.41 U16.13
/IMU.~{DET}: J16.2 U10.49
/IMU.~{SS}0: U10.40 U16.12
/IMU.~{SS}1: J16.10 U10.44
/IMU.~{SS}2: J16.9 U10.45
/IMU.~{SS}3: J16.8 U10.46
/Indicators/BUZZER: R39.1 R40.1 U10.5
/Indicators/DOTSTAR.CLK: R42.1 U8.2 U10.133
/Indicators/DOTSTAR.DAT: U8.1 U10.135
/Indicators/LED.0: R45.1 U10.13
/Indicators/LED.1: R46.1 U10.12
/Indicators/LED.2: R47.1 U10.11
/Indicators/LED.3: R50.1 U10.10
/Indicators/PGOOD_{+5V}: Q7.1 R24.2 U5.6 U6.3 U7.3
/Indicators/PGOOD_{+12V}: Q6.1 R33.2 U6.10
/Indicators/PGOOD_{FAN}: Q8.1 R34.2 U7.10
/Indicators/ROBOTID_{DISP}.BL: D19.2 D19.3 U10.115
/Indicators/ROBOTID_{DISP}.BR: D22.2 D22.3 U10.117
/Indicators/ROBOTID_{DISP}.FL: D18.2 D18.3 U10.114
/Indicators/ROBOTID_{DISP}.FR: D21.2 D21.3 U10.118
/Indicators/ROBOTID_{DISP}.TeamBlue: D20.2 D20.3 U10.85
/Indicators/ShutdownInitiated: R51.1 U10.14
/KICKER.BOOT0: J18.9 U10.100
/KICKER.PWRON: J18.4 U10.93
/KICKER.RX: J18.8 U10.97
/KICKER.TX: J18.7 U10.96
/KICKER.~{DET}: J18.3 R245.2
/KICKER.~{RST}: J18.10 U10.101
/Load Switch/PGOOD_{VBATT}: R14.2 U2.6 U4.3
/Load Switch/~{INT}_{PWRBTN}: R16.2 U3.8 U10.64
/Load Switch/~{KILL}_{PWR}: R17.2 U3.2 U10.63
/MCU/+V_{BATT(REDUCED)}: R4.2 R5.1 U10.54
/MCU/BOOT0: R75.2 SW6.9 U10.138
/MCU/DIP.1: R83.2 U10.86
/MCU/DIP.2: R84.2 U10.87
/MCU/DIP.3: R85.2 U10.88
/MCU/DIP.4: R86.2 U10.89
/MCU/DIP.5: R87.2 U10.90
/MCU/DIP.6: R88.2 U10.91
/MCU/ID_{SW}.IDX0: R71.2 U10.124
/MCU/ID_{SW}.IDX1: R70.2 U10.125
/MCU/ID_{SW}.IDX2: R69.2 U10.126
/MCU/ID_{SW}.IDX3: R68.2 U10.127
/MCU/IsBlueTeam: R89.2 U10.92
/MCU/MOTOR_{BL}.BOOT0: R122.1 U10.20 U12.42
/MCU/MOTOR_{BL}.RX: U10.18 U12.38
/MCU/MOTOR_{BL}.TX: U10.19 U12.39
/MCU/MOTOR_{BL}.~{RST}: R121.2 U10.21 U12.7
/MCU/MOTOR_{BR}.BOOT0: R152.1 U10.140 U13.42
/MCU/MOTOR_{BR}.RX: U10.141 U13.38
/MCU/MOTOR_{BR}.TX: U10.142 U13.39
/MCU/MOTOR_{BR}.~{RST}: R151.2 U10.139 U13.7
/MCU/MOTOR_{DRB}.BOOT0: R212.1 U10.82 U15.42
/MCU/MOTOR_{DRB}.RX: U10.73 U15.38
/MCU/MOTOR_{DRB}.TX: U10.74 U15.39
/MCU/MOTOR_{DRB}.~{RST}: R211.2 U10.81 U15.7
/MCU/MOTOR_{FL}.BOOT0: R92.1 U10.27 U11.42
/MCU/MOTOR_{FL}.RX: U10.35 U11.38
/MCU/MOTOR_{FL}.TX: U10.34 U11.39
/MCU/MOTOR_{FL}.~{RST}: R91.2 U10.26 U11.7
/MCU/MOTOR_{FR}.BOOT0: R182.1 U10.77 U14.42
/MCU/MOTOR_{FR}.RX: U10.76 U14.38
/MCU/MOTOR_{FR}.TX: U10.75 U14.39
/MCU/MOTOR_{FR}.~{RST}: R181.2 U10.78 U14.7
/MCU/SDMMC.CK: J4.5 U10.113
/MCU/SDMMC.CMD: J4.3 U10.116
/MCU/SDMMC.D0: J4.7 U10.98
/MCU/SDMMC.D1: J4.8 U10.99
/MCU/SDMMC.D2: J4.1 U10.111
/MCU/SDMMC.D3: J4.2 U10.112
/MCU/SWCLK: J3.4 U10.109
/MCU/SWDIO: J3.2 U10.105
/MCU/~{BTN}0: R67.2 U10.122
/MCU/~{BTN}1: R73.2 U10.119
/MCU/~{RST}: C36.1 J3.10 R90.2 SW7.2 U10.25
/Motors/MotorBL/ENCODER_{A}: J8.3 U12.17
/Motors/MotorBL/ENCODER_{B}: J8.4 U12.18
/Motors/MotorBL/ENCODER_{Z}: J8.5 U12.19
/Motors/MotorBL/ENCODER_{~{DET}}: J8.2 R123.1 U12.16
/Motors/MotorBL/HALL_{1}: J7.3 R124.2 U12.11
/Motors/MotorBL/HALL_{2}: J7.4 R126.2 U12.12
/Motors/MotorBL/HALL_{3}: J7.2 R128.2 U12.13
/Motors/MotorBL/I_{SENSE(AMPLIFIED)}: R134.2 R135.1 U12.15 U12.21
/Motors/MotorBL/I_{SENSE(FILTERED)}: C82.1 R135.2 U12.14
/Motors/MotorBL/I_{SENSE(RAW)}: Q16.1 Q16.2 Q16.3 Q18.1 Q18.2 Q18.3 Q20.1 Q20.2 Q20.3 R130.1 R148.1 R149.1
/Motors/MotorBL/LED_{ERROR}: R129.1 U12.40
/Motors/MotorBL/LED_{FW_READY}: R127.1 U12.41
/Motors/MotorBL/LED_{WARN}: R125.1 U12.45
/Motors/MotorBL/MOTOR_{U}: C79.2 J7.8 Q19.1 Q19.2 Q19.3 Q20.5 U12.34
/Motors/MotorBL/MOTOR_{V}: C80.2 J7.7 Q17.1 Q17.2 Q17.3 Q18.5 U12.30
/Motors/MotorBL/MOTOR_{W}: C81.2 J7.6 Q15.1 Q15.2 Q15.3 Q16.5 U12.26
/Motors/MotorBL/V_{MOTOR}: C73.1 F11.2 Q15.5 Q17.5 Q19.5 U12.8
/Motors/MotorBR/ENCODER_{A}: J10.3 U13.17
/Motors/MotorBR/ENCODER_{B}: J10.4 U13.18
/Motors/MotorBR/ENCODER_{Z}: J10.5 U13.19
/Motors/MotorBR/ENCODER_{~{DET}}: J10.2 R153.1 U13.16
/Motors/MotorBR/HALL_{1}: J9.3 R154.2 U13.11
/Motors/MotorBR/HALL_{2}: J9.4 R156.2 U13.12
/Motors/MotorBR/HALL_{3}: J9.2 R158.2 U13.13
/Motors/MotorBR/I_{SENSE(AMPLIFIED)}: R164.2 R165.1 U13.15 U13.21
/Motors/MotorBR/I_{SENSE(FILTERED)}: C93.1 R165.2 U13.14
/Motors/MotorBR/I_{SENSE(RAW)}: Q22.1 Q22.2 Q22.3 Q24.1 Q24.2 Q24.3 Q26.1 Q26.2 Q26.3 R160.1 R178.1 R179.1
/Motors/MotorBR/LED_{ERROR}: R159.1 U13.40
/Motors/MotorBR/LED_{FW_READY}: R157.1 U13.41
/Motors/MotorBR/LED_{WARN}: R155.1 U13.45
/Motors/MotorBR/MOTOR_{U}: C90.2 J9.8 Q25.1 Q25.2 Q25.3 Q26.5 U13.34
/Motors/MotorBR/MOTOR_{V}: C91.2 J9.7 Q23.1 Q23.2 Q23.3 Q24.5 U13.30
/Motors/MotorBR/MOTOR_{W}: C92.2 J9.6 Q21.1 Q21.2 Q21.3 Q22.5 U13.26
/Motors/MotorBR/V_{MOTOR}: C84.1 F12.2 Q21.5 Q23.5 Q25.5 U13.8
/Motors/MotorDRB/ENCODER_{A}: J14.3 U15.17
/Motors/MotorDRB/ENCODER_{B}: J14.4 U15.18
/Motors/MotorDRB/ENCODER_{Z}: J14.5 U15.19
